# Altium PCB Goldstrike1_Rev01 2014 06 02.PcbDoc (part 2 of 5)
Units mm, origin at the board's own origin, x right, y up, seen from the top; angles counter-clockwise.
Board outline 110 x 255.5 mm, 4 copper layers (L1, L2, L3, L4), stack 1.577 mm thick; 676 components, 193 nets, 4482 pads, 1968 vias.
Unrouted connection lines stored in the file: 1747.
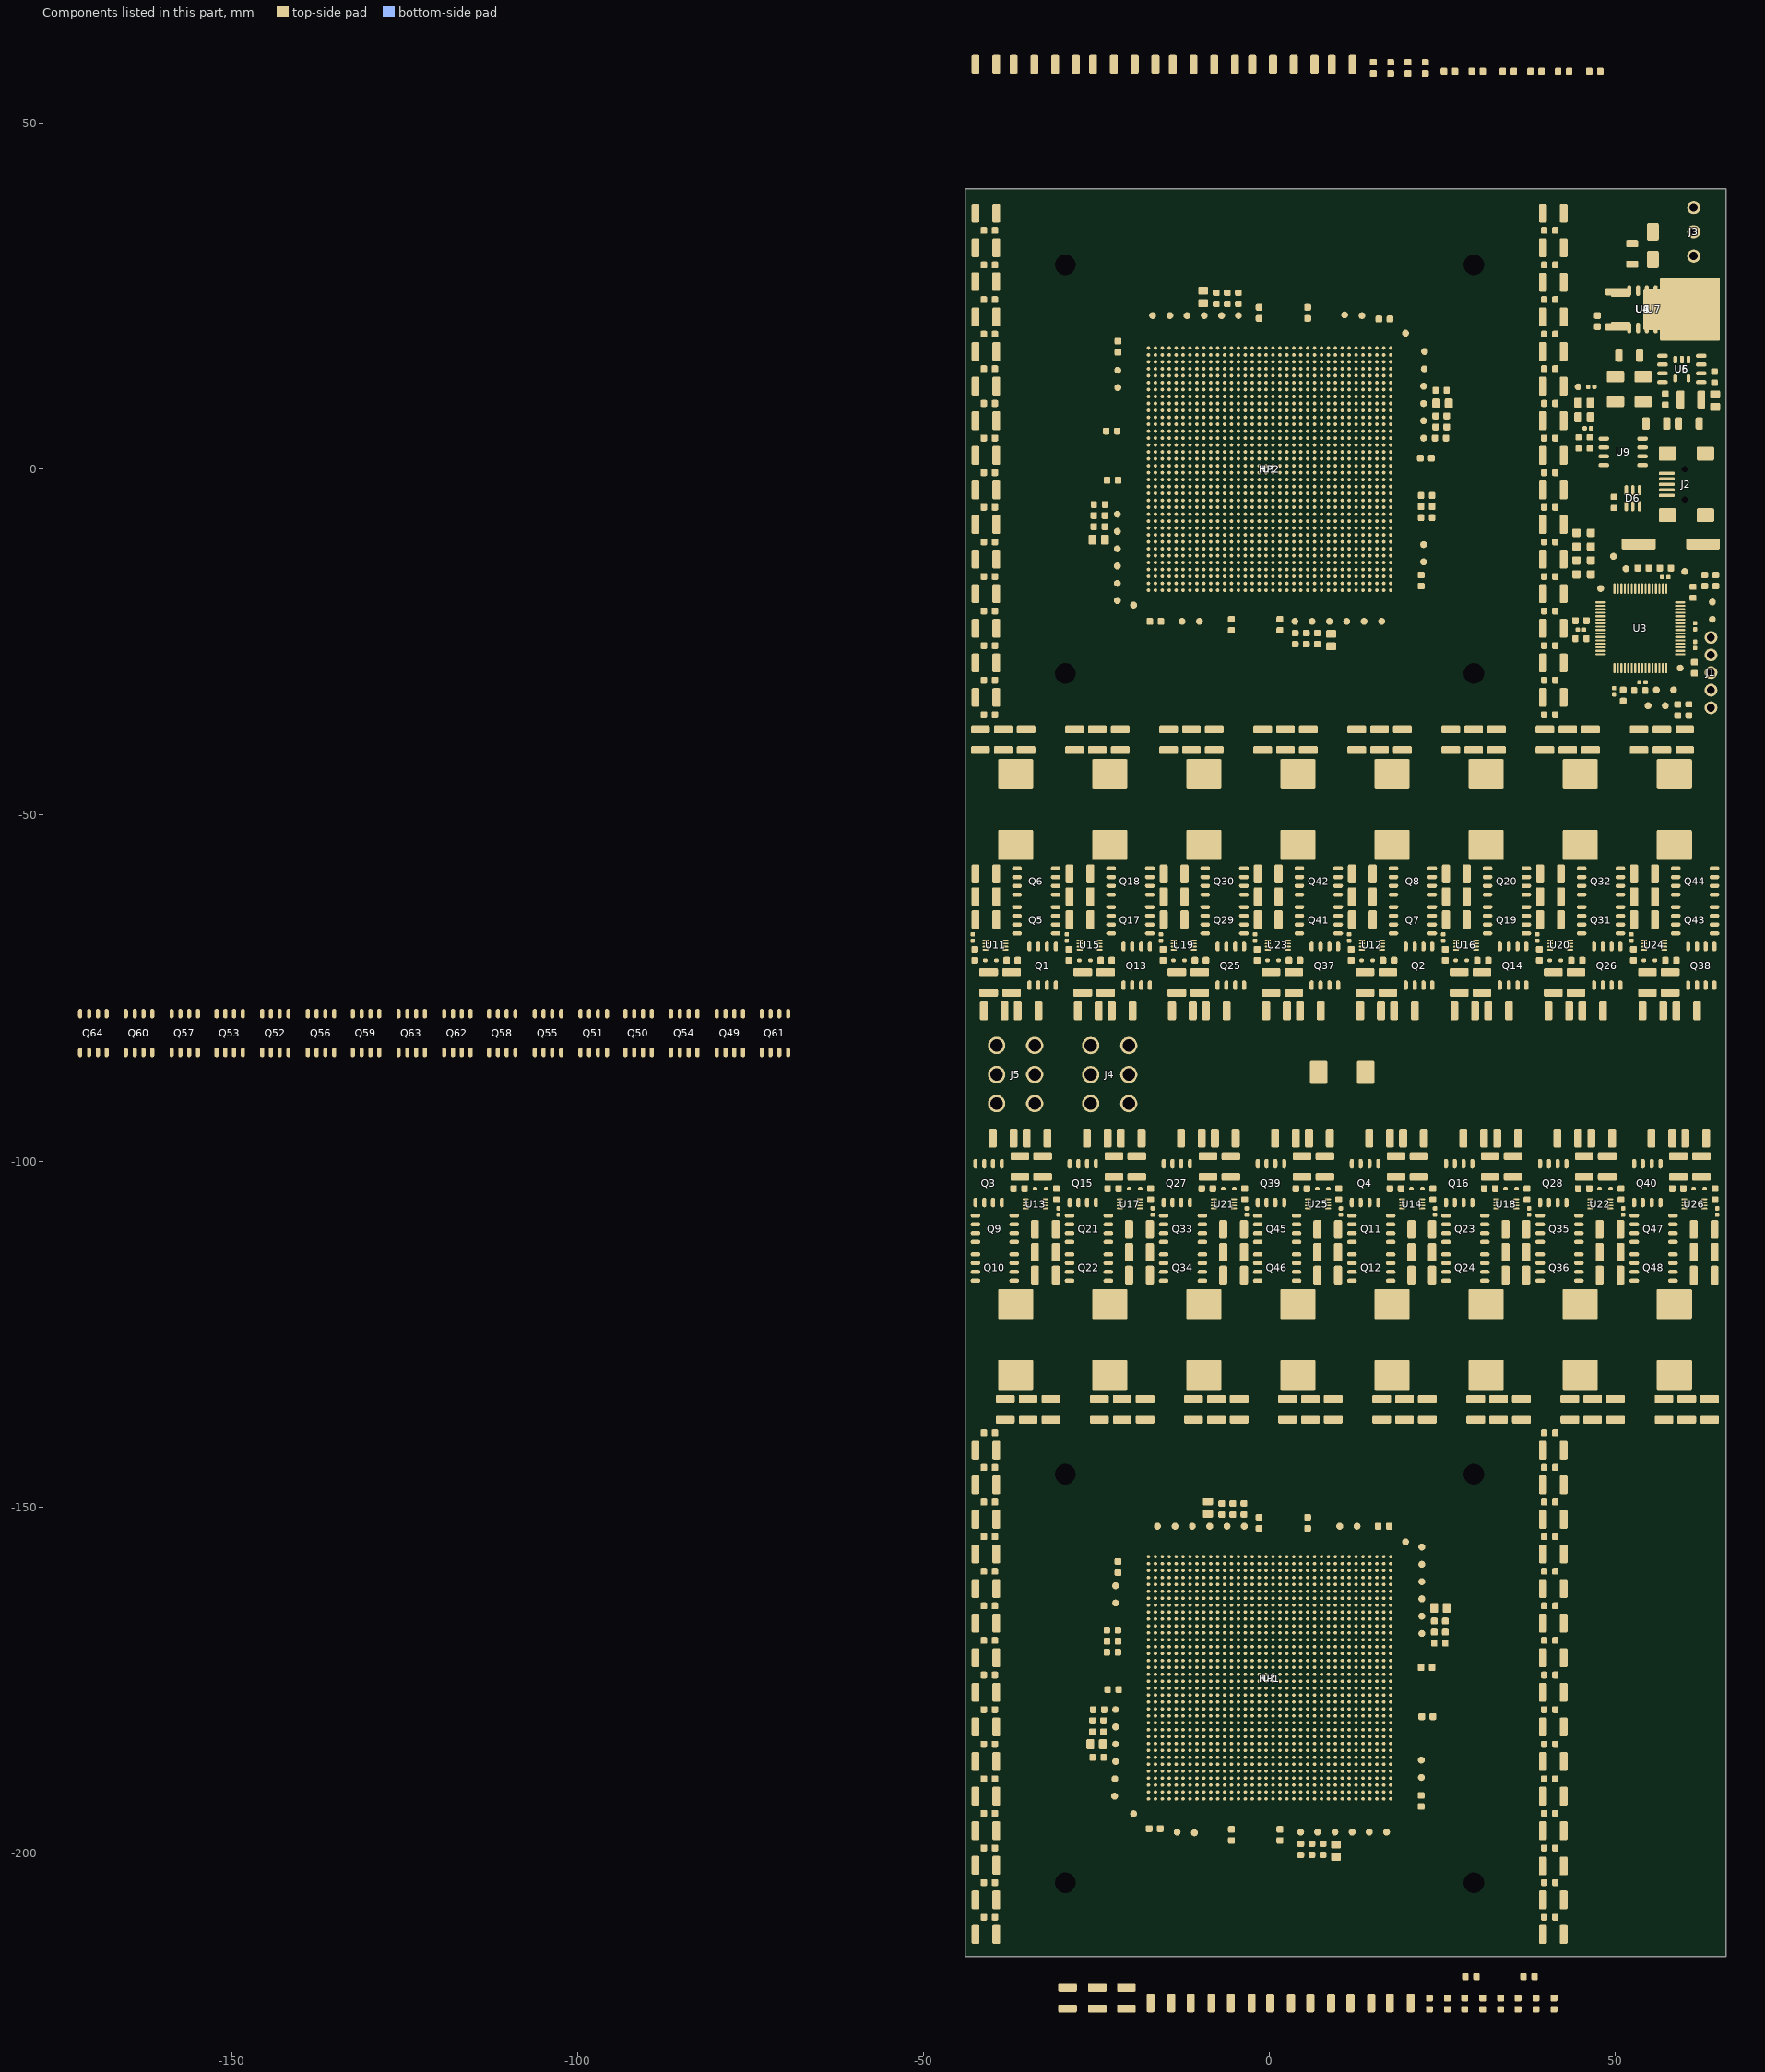
[diagram p4: the components of this part, seen from the top]

## Components (designator, comment, footprint, x,y, rotation, side; value= is the part's Value field where it differs from the comment) (continued)
C424 "SMD_1210_CAPC3225X270N" SMD_1210_CAPC3225X270N -12.6,-78.3 r180 top
C425 "SMD_1210_CAPC3225X270N" SMD_1210_CAPC3225X270N -10.1,-74.2 r90 top
C426 "SMD_1210_CAPC3225X270N" SMD_1210_CAPC3225X270N 1,-78.3 r180 top
C427 "SMD_1210_CAPC3225X270N" SMD_1210_CAPC3225X270N 3.5,-74.2 r90 top
D1 "SMD_0805_LED2012X100N" SMD_0805_LED2012X100N 45.4,-15.2 r0 top
D2 "SMD_0805_LED2012X100N" SMD_0805_LED2012X100N 45.4,-13.2 r0 top
D3 "SMD_0805_LED2012X100N" SMD_0805_LED2012X100N 45.4,-9.2 r0 top
D4 "SMD_0805_LED2012X100N" SMD_0805_LED2012X100N 45.4,-11.2 r0 top
D5 "SMD_DO214AC_SMA" SMD_DO214AC_SMA 52,9.8 r180 top
D6 "SMD_SOT457_SOT95P275X110-6N" SMD_SOT457_SOT95P275X110-6N 52.5,-4.2 r270 top
D7 "SMD_DO214AC_SMA" SMD_DO214AC_SMA 52,13.4 r0 top
D8 "SMD_DO214AC_SMA" SMD_DO214AC_SMA 55.4,32.3 r90 top
D9 "SMD_DO214AC_SMC" SMD_DO214AC_SMC 10.5,-87.2 r180 top
D10 "SMD_SOD523_SOD1608X65N" SMD_SOD523_SOD1608X65N -40.3,-71 r180 top
D11 "SMD_SOD523_SOD1608X65N" SMD_SOD523_SOD1608X65N 14.1,-71 r180 top
D12 "SMD_SOD523_SOD1608X65N" SMD_SOD523_SOD1608X65N -33.1,-104 r0 top
D13 "SMD_SOD523_SOD1608X65N" SMD_SOD523_SOD1608X65N 21.3,-104 r0 top
D14 "SMD_SOD523_SOD1608X65N" SMD_SOD523_SOD1608X65N -26.7,-71 r180 top
D15 "SMD_SOD523_SOD1608X65N" SMD_SOD523_SOD1608X65N 27.7,-71 r180 top
D16 "SMD_SOD523_SOD1608X65N" SMD_SOD523_SOD1608X65N -19.5,-104 r0 top
D17 "SMD_SOD523_SOD1608X65N" SMD_SOD523_SOD1608X65N 34.9,-104 r0 top
D18 "SMD_SOD523_SOD1608X65N" SMD_SOD523_SOD1608X65N -13.1,-71 r180 top
D19 "SMD_SOD523_SOD1608X65N" SMD_SOD523_SOD1608X65N 41.3,-71 r180 top
D20 "SMD_SOD523_SOD1608X65N" SMD_SOD523_SOD1608X65N -5.9,-104 r0 top
D21 "SMD_SOD523_SOD1608X65N" SMD_SOD523_SOD1608X65N 48.5,-104 r0 top
D22 "SMD_SOD523_SOD1608X65N" SMD_SOD523_SOD1608X65N 0.5,-71 r180 top
D23 "SMD_SOD523_SOD1608X65N" SMD_SOD523_SOD1608X65N 54.9,-71 r180 top
D24 "SMD_SOD523_SOD1608X65N" SMD_SOD523_SOD1608X65N 7.7,-104 r0 top
D25 "SMD_SOD523_SOD1608X65N" SMD_SOD523_SOD1608X65N 62.1,-104 r0 top
FB1 "SMD_0805_INDC2012X105N" SMD_0805_INDC2012X105N -24.7,-10.2 r0 top
FB2 "SMD_0805_INDC2012X105N" SMD_0805_INDC2012X105N 25,9.5 r180 top
FB3 "SMD_0805_INDC2012X105N" SMD_0805_INDC2012X105N 8.9,-24.7 r90 top
FB4 "SMD_0805_INDC2012X105N" SMD_0805_INDC2012X105N -9.6,24.9 r270 top
FB5 "SMD_0805_INDC2012X105N" SMD_0805_INDC2012X105N 45.5,9.6 r180 top
FB6 "SMD_0805_INDC2012X105N" SMD_0805_INDC2012X105N 24.7,-164.6 r180 top
FB7 "SMD_0805_INDC2012X105N" SMD_0805_INDC2012X105N -25,-184.3 r0 top
FB8 "SMD_0805_INDC2012X105N" SMD_0805_INDC2012X105N -8.9,-150.1 r270 top
FB9 "SMD_0805_INDC2012X105N" SMD_0805_INDC2012X105N 9.6,-199.7 r90 top
HP1 "AH2-120" AH2-120 0,-174.8 r180 top
HP2 "AH2-120" AH2-120 0,0 r0 top
J1 "PTH_HDRV05W64P254_1X05" PTH_HDRV05W64P254_1X05 63.8,-29.4 r270 top
J2 "SMD_CON-CVILUX-CU04-SCM15B0" SMD_CON-CVILUX-CU04-SCM15B0 60,-2.2 r90 top
J3 "PTH_CON_HD-351-3P" PTH_CON_HD-351-3P 61.3,34.3 r90 top
J4 "PTH_CON_WR-MRC4-6P_S" PTH_CON_WR-MRC4-6P_S -23.1,-87.519 r90 top
J5 "PTH_CON_WR-MRC4-6P_S" PTH_CON_WR-MRC4-6P_S -36.7,-87.5 r90 top
L1 "SMT_INDM135130X800N" SMT_INDM135130X800N -36.7,-49.2 r90 top
L2 "SMT_INDM135130X800N" SMT_INDM135130X800N 17.7,-49.2 r90 top
L3 "SMT_INDM135130X800N" SMT_INDM135130X800N -36.7,-125.8 r270 top
L4 "SMT_INDM135130X800N" SMT_INDM135130X800N 17.7,-125.8 r270 top
L5 "SMT_INDM135130X800N" SMT_INDM135130X800N -23.1,-49.2 r90 top
L6 "SMT_INDM135130X800N" SMT_INDM135130X800N 31.3,-49.2 r90 top
L7 "SMT_INDM135130X800N" SMT_INDM135130X800N -23.1,-125.8 r270 top
L8 "SMT_INDM135130X800N" SMT_INDM135130X800N 31.3,-125.8 r270 top
L9 "SMT_INDM135130X800N" SMT_INDM135130X800N -9.5,-49.2 r90 top
L10 "SMT_INDM135130X800N" SMT_INDM135130X800N 44.9,-49.2 r90 top
L11 "SMT_INDM135130X800N" SMT_INDM135130X800N -9.5,-125.8 r270 top
L12 "SMT_INDM135130X800N" SMT_INDM135130X800N 44.9,-125.8 r270 top
L13 "SMT_INDM135130X800N" SMT_INDM135130X800N 4.1,-49.2 r90 top
L14 "SMT_INDM135130X800N" SMT_INDM135130X800N 58.5,-49.2 r90 top
L15 "SMT_INDM135130X800N" SMT_INDM135130X800N 4.1,-125.8 r270 top
L16 "SMT_INDM135130X800N" SMT_INDM135130X800N 58.5,-125.8 r270 top
Q1 "SMD_SOIC127P600X110-9AN" SMD_SOIC127P600X110-9AN -32.8,-71.8 r270 top
Q2 "SMD_SOIC127P600X110-9AN" SMD_SOIC127P600X110-9AN 21.6,-71.8 r270 top
Q3 "SMD_SOIC127P600X110-9AN" SMD_SOIC127P600X110-9AN -40.6,-103.2 r90 top
Q4 "SMD_SOIC127P600X110-9AN" SMD_SOIC127P600X110-9AN 13.8,-103.2 r90 top
Q5 "SMD_SOIC127P600X110-9AN" SMD_SOIC127P600X110-9AN -33.7,-65.2 r0 top
Q6 "SMD_SOIC127P600X110-9AN" SMD_SOIC127P600X110-9AN -33.7,-59.6 r0 top
Q7 "SMD_SOIC127P600X110-9AN" SMD_SOIC127P600X110-9AN 20.7,-65.2 r0 top
Q8 "SMD_SOIC127P600X110-9AN" SMD_SOIC127P600X110-9AN 20.7,-59.6 r0 top
Q9 "SMD_SOIC127P600X110-9AN" SMD_SOIC127P600X110-9AN -39.7,-109.8 r180 top
Q10 "SMD_SOIC127P600X110-9AN" SMD_SOIC127P600X110-9AN -39.7,-115.4 r180 top
Q11 "SMD_SOIC127P600X110-9AN" SMD_SOIC127P600X110-9AN 14.7,-109.8 r180 top
Q12 "SMD_SOIC127P600X110-9AN" SMD_SOIC127P600X110-9AN 14.7,-115.4 r180 top
Q13 "SMD_SOIC127P600X110-9AN" SMD_SOIC127P600X110-9AN -19.2,-71.8 r270 top
Q14 "SMD_SOIC127P600X110-9AN" SMD_SOIC127P600X110-9AN 35.2,-71.8 r270 top
Q15 "SMD_SOIC127P600X110-9AN" SMD_SOIC127P600X110-9AN -27,-103.2 r90 top
Q16 "SMD_SOIC127P600X110-9AN" SMD_SOIC127P600X110-9AN 27.4,-103.2 r90 top
Q17 "SMD_SOIC127P600X110-9AN" SMD_SOIC127P600X110-9AN -20.1,-65.2 r0 top
Q18 "SMD_SOIC127P600X110-9AN" SMD_SOIC127P600X110-9AN -20.1,-59.6 r0 top
Q19 "SMD_SOIC127P600X110-9AN" SMD_SOIC127P600X110-9AN 34.3,-65.2 r0 top
Q20 "SMD_SOIC127P600X110-9AN" SMD_SOIC127P600X110-9AN 34.3,-59.6 r0 top
Q21 "SMD_SOIC127P600X110-9AN" SMD_SOIC127P600X110-9AN -26.1,-109.8 r180 top
Q22 "SMD_SOIC127P600X110-9AN" SMD_SOIC127P600X110-9AN -26.1,-115.4 r180 top
Q23 "SMD_SOIC127P600X110-9AN" SMD_SOIC127P600X110-9AN 28.3,-109.8 r180 top
Q24 "SMD_SOIC127P600X110-9AN" SMD_SOIC127P600X110-9AN 28.3,-115.4 r180 top
Q25 "SMD_SOIC127P600X110-9AN" SMD_SOIC127P600X110-9AN -5.6,-71.8 r270 top
Q26 "SMD_SOIC127P600X110-9AN" SMD_SOIC127P600X110-9AN 48.8,-71.8 r270 top
Q27 "SMD_SOIC127P600X110-9AN" SMD_SOIC127P600X110-9AN -13.4,-103.2 r90 top
Q28 "SMD_SOIC127P600X110-9AN" SMD_SOIC127P600X110-9AN 41,-103.2 r90 top
Q29 "SMD_SOIC127P600X110-9AN" SMD_SOIC127P600X110-9AN -6.5,-65.2 r0 top
Q30 "SMD_SOIC127P600X110-9AN" SMD_SOIC127P600X110-9AN -6.5,-59.6 r0 top
Q31 "SMD_SOIC127P600X110-9AN" SMD_SOIC127P600X110-9AN 47.9,-65.2 r0 top
Q32 "SMD_SOIC127P600X110-9AN" SMD_SOIC127P600X110-9AN 47.9,-59.6 r0 top
Q33 "SMD_SOIC127P600X110-9AN" SMD_SOIC127P600X110-9AN -12.5,-109.8 r180 top
Q34 "SMD_SOIC127P600X110-9AN" SMD_SOIC127P600X110-9AN -12.5,-115.4 r180 top
Q35 "SMD_SOIC127P600X110-9AN" SMD_SOIC127P600X110-9AN 41.9,-109.8 r180 top
Q36 "SMD_SOIC127P600X110-9AN" SMD_SOIC127P600X110-9AN 41.9,-115.4 r180 top
Q37 "SMD_SOIC127P600X110-9AN" SMD_SOIC127P600X110-9AN 8,-71.8 r270 top
Q38 "SMD_SOIC127P600X110-9AN" SMD_SOIC127P600X110-9AN 62.4,-71.8 r270 top
Q39 "SMD_SOIC127P600X110-9AN" SMD_SOIC127P600X110-9AN 0.2,-103.2 r90 top
Q40 "SMD_SOIC127P600X110-9AN" SMD_SOIC127P600X110-9AN 54.6,-103.2 r90 top
Q41 "SMD_SOIC127P600X110-9AN" SMD_SOIC127P600X110-9AN 7.1,-65.2 r0 top
Q42 "SMD_SOIC127P600X110-9AN" SMD_SOIC127P600X110-9AN 7.1,-59.6 r0 top
Q43 "SMD_SOIC127P600X110-9AN" SMD_SOIC127P600X110-9AN 61.5,-65.2 r0 top
Q44 "SMD_SOIC127P600X110-9AN" SMD_SOIC127P600X110-9AN 61.5,-59.6 r0 top
Q45 "SMD_SOIC127P600X110-9AN" SMD_SOIC127P600X110-9AN 1.1,-109.8 r180 top
Q46 "SMD_SOIC127P600X110-9AN" SMD_SOIC127P600X110-9AN 1.1,-115.4 r180 top
Q47 "SMD_SOIC127P600X110-9AN" SMD_SOIC127P600X110-9AN 55.5,-109.8 r180 top
Q48 "SMD_SOIC127P600X110-9AN" SMD_SOIC127P600X110-9AN 55.5,-115.4 r180 top
Q49 "SMD_SOIC127P600X110-9AN" SMD_SOIC127P600X110-9AN -78,-81.5 r270 top
Q50 "SMD_SOIC127P600X110-9AN" SMD_SOIC127P600X110-9AN -91.2,-81.5 r90 top
Q51 "SMD_SOIC127P600X110-9AN" SMD_SOIC127P600X110-9AN -97.7,-81.5 r90 top
Q52 "SMD_SOIC127P600X110-9AN" SMD_SOIC127P600X110-9AN -143.7,-81.5 r90 top
Q53 "SMD_SOIC127P600X110-9AN" SMD_SOIC127P600X110-9AN -150.3,-81.5 r90 top
Q54 "SMD_SOIC127P600X110-9AN" SMD_SOIC127P600X110-9AN -84.6,-81.5 r90 top
Q55 "SMD_SOIC127P600X110-9AN" SMD_SOIC127P600X110-9AN -104.3,-81.5 r90 top
Q56 "SMD_SOIC127P600X110-9AN" SMD_SOIC127P600X110-9AN -137.1,-81.5 r90 top
Q57 "SMD_SOIC127P600X110-9AN" SMD_SOIC127P600X110-9AN -156.8,-81.5 r90 top
Q58 "SMD_SOIC127P600X110-9AN" SMD_SOIC127P600X110-9AN -110.9,-81.5 r270 top
Q59 "SMD_SOIC127P600X110-9AN" SMD_SOIC127P600X110-9AN -130.6,-81.5 r270 top
Q60 "SMD_SOIC127P600X110-9AN" SMD_SOIC127P600X110-9AN -163.4,-81.5 r270 top
Q61 "SMD_SOIC127P600X110-9AN" SMD_SOIC127P600X110-9AN -71.5,-81.5 r270 top
Q62 "SMD_SOIC127P600X110-9AN" SMD_SOIC127P600X110-9AN -117.4,-81.5 r270 top
Q63 "SMD_SOIC127P600X110-9AN" SMD_SOIC127P600X110-9AN -124,-81.5 r270 top
Q64 "SMD_SOIC127P600X110-9AN" SMD_SOIC127P600X110-9AN -170,-81.5 r270 top
R1 "SMD_0603_RESC1608X55N" SMD_0603_RESC1608X55N -24.8,-186.2 r180 top
R2 "SMD_0603_RESC1608X55N" SMD_0603_RESC1608X55N -22.7,-167.8 r180 top
R3 "SMD_0603_RESC1608X55N" SMD_0603_RESC1608X55N 24.8,11.4 r0 top
R4 "SMD_0603_RESC1608X55N" SMD_0603_RESC1608X55N 64.5,-16.1 r270 top
R5 "SMD_0603_RESC1608X55N" SMD_0603_RESC1608X55N 62.9,-16.1 r270 top
R6 "SMD_0603_RESC1608X55N" SMD_0603_RESC1608X55N 60.6,-34.8 r270 top
R9 "SMD_0603_RESC1608X55N" SMD_0603_RESC1608X55N 51.1,-32.7 r270 top
R10 "SMD_0603_RESC1608X55N" SMD_0603_RESC1608X55N 61.2,-17.8 r270 top
R11 "SMD_0603_RESC1608X55N" SMD_0603_RESC1608X55N 49.8,-4.8 r270 top
R12 "SMD_1206_RESC3216X65N" SMD_1206_RESC3216X65N 52,16.4 r0 top
R13 "SMD_1206_RESC3216X65N" SMD_1206_RESC3216X65N 52.4,31.1 r90 top
R14 "SMD_1206_RESC3216X65N" SMD_1206_RESC3216X65N 60.6,6.6 r0 top
R15 "SMD_1206_RESC3216X65N" SMD_1206_RESC3216X65N 55.9,6.6 r180 top
R16 "SMD_0603_RESC1608X55N" SMD_0603_RESC1608X55N 46.3,3.8 r270 top
R17 "SMD_0603_RESC1608X55N" SMD_0603_RESC1608X55N 44.7,3.8 r90 top
R20 "SMD_0603_RESC1608X55N" SMD_0603_RESC1608X55N 22.7,-7 r0 top
R21 "SMD_0603_RESC1608X55N" SMD_0603_RESC1608X55N 53.5,-32 r180 top
R22 "SMD_0603_RESC1608X55N" SMD_0603_RESC1608X55N 22.7,-3.8 r180 top
R23 "SMD_0603_RESC1608X55N" SMD_0603_RESC1608X55N -22.7,-171 r0 top
R26 "SMD_0603_RESC1608X55N" SMD_0603_RESC1608X55N 45,-24.5 r180 top
R27 "SMD_0603_RESC1608X55N" SMD_0603_RESC1608X55N -24.6,-5.1 r0 top
R28 "SMD_0603_RESC1608X55N" SMD_0603_RESC1608X55N 3.7,-24.5 r90 top
R29 "SMD_0603_RESC1608X55N" SMD_0603_RESC1608X55N 24.7,4.5 r180 top
R30 "SMD_0603_RESC1608X55N" SMD_0603_RESC1608X55N -4.5,24.7 r270 top
R31 "SMD_0603_RESC1608X55N" SMD_0603_RESC1608X55N 24.6,-169.7 r180 top
R32 "SMD_0603_RESC1608X55N" SMD_0603_RESC1608X55N -3.7,-150.3 r270 top
R33 "SMD_0603_RESC1608X55N" SMD_0603_RESC1608X55N -24.7,-179.3 r0 top
R34 "SMD_0603_RESC1608X55N" SMD_0603_RESC1608X55N 4.5,-199.5 r90 top
TP2 "SMD_TP_100-254" SMD_TP_100-254 44.6,11.9 r0 top
TP3 "SMD_TP_100-254" SMD_TP_100-254 54.7,-34.2 r0 top
TP5 "SMD_TP_100-254" SMD_TP_100-254 55.9,-31.9 r0 top
TP6 "SMD_TP_100-254" SMD_TP_100-254 57.2,-34.2 r0 top
TP7 "SMD_TP_100-254" SMD_TP_100-254 58.4,-31.9 r0 top
TP10 "SMD_TP_100-254" SMD_TP_100-254 64,-21.7 r0 top
TP11 "SMD_TP_100-254" SMD_TP_100-254 64,-19.2 r0 top
TP12 "SMD_TP_100-254" SMD_TP_100-254 49.7,-12.6 r0 top
TP13 "SMD_TP_100-254" SMD_TP_100-254 51.5,-14.4 r0 top
TP21 "SMD_TP_100-254" SMD_TP_100-254 60,-14.8 r0 top
TP22 "SMD_TP_100-254" SMD_TP_100-254 -12.641,-22.004 r0 top
TP23 "SMD_TP_100-254" SMD_TP_100-254 22.259,-13.404 r0 top
TP24 "SMD_TP_100-254" SMD_TP_100-254 13.359,22.196 r0 top
TP25 "SMD_TP_100-254" SMD_TP_100-254 -21.941,14.296 r0 top
TP26 "SMD_TP_100-254" SMD_TP_100-254 -10.141,-22.004 r0 top
TP27 "SMD_TP_100-254" SMD_TP_100-254 22.259,-10.904 r0 top
TP28 "SMD_TP_100-254" SMD_TP_100-254 10.859,22.296 r0 top
TP29 "SMD_TP_100-254" SMD_TP_100-254 -21.941,11.796 r0 top
TP30 "SMD_TP_100-254" SMD_TP_100-254 12.641,-152.796 r180 top
TP31 "SMD_TP_100-254" SMD_TP_100-254 -22.259,-161.396 r180 top
TP32 "SMD_TP_100-254" SMD_TP_100-254 -13.359,-196.996 r180 top
TP33 "SMD_TP_100-254" SMD_TP_100-254 21.941,-189.096 r180 top
TP34 "SMD_TP_100-254" SMD_TP_100-254 10.141,-152.796 r180 top
TP35 "SMD_TP_100-254" SMD_TP_100-254 -22.259,-163.896 r180 top
TP36 "SMD_TP_100-254" SMD_TP_100-254 -10.859,-197.096 r180 top
TP37 "SMD_TP_100-254" SMD_TP_100-254 21.941,-186.596 r180 top
TP38 "SMD_TP_100-254" SMD_TP_100-254 -22,-16.5 r0 top
TP39 "SMD_TP_100-254" SMD_TP_100-254 13.659,-22.004 r0 top
TP40 "SMD_TP_100-254" SMD_TP_100-254 22.359,14.496 r0 top
TP41 "SMD_TP_100-254" SMD_TP_100-254 -14.4,22.2 r0 top
TP42 "SMD_TP_100-254" SMD_TP_100-254 -22,-11.5 r0 top
TP43 "SMD_TP_100-254" SMD_TP_100-254 8.659,-22.004 r0 top
TP44 "SMD_TP_100-254" SMD_TP_100-254 22.259,9.496 r0 top
TP45 "SMD_TP_100-254" SMD_TP_100-254 -9.441,22.196 r0 top
TP46 "SMD_TP_100-254" SMD_TP_100-254 -22,-14 r0 top
TP47 "SMD_TP_100-254" SMD_TP_100-254 11.159,-22.004 r0 top
TP48 "SMD_TP_100-254" SMD_TP_100-254 22.259,11.996 r0 top
TP49 "SMD_TP_100-254" SMD_TP_100-254 -11.941,22.196 r0 top
TP50 "SMD_TP_100-254" SMD_TP_100-254 -22,-9 r0 top
TP51 "SMD_TP_100-254" SMD_TP_100-254 6.159,-22.004 r0 top
TP52 "SMD_TP_100-254" SMD_TP_100-254 22.259,6.996 r0 top
TP53 "SMD_TP_100-254" SMD_TP_100-254 -6.941,22.196 r0 top
TP54 "SMD_TP_100-254" SMD_TP_100-254 22,-158.3 r180 top
TP55 "SMD_TP_100-254" SMD_TP_100-254 -13.659,-152.796 r180 top
TP56 "SMD_TP_100-254" SMD_TP_100-254 -22.359,-189.296 r180 top
TP57 "SMD_TP_100-254" SMD_TP_100-254 14.4,-197 r180 top
TP58 "SMD_TP_100-254" SMD_TP_100-254 22,-163.3 r180 top
TP59 "SMD_TP_100-254" SMD_TP_100-254 -8.659,-152.796 r180 top
TP60 "SMD_TP_100-254" SMD_TP_100-254 -22.259,-184.296 r180 top
TP61 "SMD_TP_100-254" SMD_TP_100-254 9.441,-196.996 r180 top
TP62 "SMD_TP_100-254" SMD_TP_100-254 22,-160.8 r180 top
TP63 "SMD_TP_100-254" SMD_TP_100-254 -11.159,-152.796 r180 top
TP64 "SMD_TP_100-254" SMD_TP_100-254 -22.259,-186.796 r180 top
TP65 "SMD_TP_100-254" SMD_TP_100-254 11.941,-196.996 r180 top
TP66 "SMD_TP_100-254" SMD_TP_100-254 22,-165.8 r180 top
TP67 "SMD_TP_100-254" SMD_TP_100-254 -6.159,-152.796 r180 top
TP68 "SMD_TP_100-254" SMD_TP_100-254 -22.259,-181.796 r180 top
TP69 "SMD_TP_100-254" SMD_TP_100-254 6.941,-196.996 r180 top
TP70 "SMD_TP_100-254" SMD_TP_100-254 -22,-19 r0 top
TP71 "SMD_TP_100-254" SMD_TP_100-254 -16.9,22.2 r0 top
TP72 "SMD_TP_100-254" SMD_TP_100-254 16.2,-22 r0 top
TP73 "SMD_TP_100-254" SMD_TP_100-254 22.4,17 r0 top
TP74 "SMD_TP_100-254" SMD_TP_100-254 22,-155.8 r180 top
TP75 "SMD_TP_100-254" SMD_TP_100-254 16.9,-197 r180 top
TP76 "SMD_TP_100-254" SMD_TP_100-254 -16.2,-152.8 r180 top
TP77 "SMD_TP_100-254" SMD_TP_100-254 -22.4,-191.8 r180 top
TP78 "SMD_TP_100-254" SMD_TP_100-254 -22,-6.5 r0 top
TP79 "SMD_TP_100-254" SMD_TP_100-254 3.659,-22.004 r0 top
TP80 "SMD_TP_100-254" SMD_TP_100-254 22.259,4.496 r0 top
TP81 "SMD_TP_100-254" SMD_TP_100-254 -4.5,22.2 r0 top
TP82 "SMD_TP_100-254" SMD_TP_100-254 22,-168.3 r180 top
TP83 "SMD_TP_100-254" SMD_TP_100-254 -3.659,-152.796 r180 top
TP84 "SMD_TP_100-254" SMD_TP_100-254 -22.259,-179.296 r180 top
TP85 "SMD_TP_100-254" SMD_TP_100-254 4.5,-197 r180 top
U1 "SMD_BGA1296C100P36X36" SMD_BGA1296C100P36X36 0,0 r0 top
U2 "SMD_BGA1296C100P36X36" SMD_BGA1296C100P36X36 0,-174.7 r180 top
U3 "SMD_QFP50P1200X1200X120-64N" SMD_QFP50P1200X1200X120-64N 53.6,-23 r90 top
U4 "SMD_SOIC127P600X175-8N" SMD_SOIC127P600X175-8N 53.9,23.1 r90 top
U5 "SMD_SOT95P280X135-5N" SMD_SOT95P280X135-5N 59.595,14.487 r270 top
U6 "SMD_SOIC127P620X160-8N" SMD_SOIC127P620X160-8N 59.595,14.487 r180 top
U7 "SMD_TO254P1542X460-3_4N" SMD_TO254P1542X460-3_4N 56.8,23.1 r0 top
U8 "SMD_TO229P991X239-4N_DPAK" SMD_TO229P991X239-4N_DPAK 54.9,23.1 r0 top
U9 "SMD_SOIC127P620X160-8N" SMD_SOIC127P620X160-8N 51.1,2.5 r0 top
U11 "SMD_SON45P300X200X80-9N" SMD_SON45P300X200X80-9N -39.6,-68.8 r180 top
U12 "SMD_SON45P300X200X80-9N" SMD_SON45P300X200X80-9N 14.8,-68.8 r180 top
U13 "SMD_SON45P300X200X80-9N" SMD_SON45P300X200X80-9N -33.8,-106.2 r0 top
U14 "SMD_SON45P300X200X80-9N" SMD_SON45P300X200X80-9N 20.6,-106.2 r0 top
U15 "SMD_SON45P300X200X80-9N" SMD_SON45P300X200X80-9N -26,-68.8 r180 top
U16 "SMD_SON45P300X200X80-9N" SMD_SON45P300X200X80-9N 28.4,-68.8 r180 top
U17 "SMD_SON45P300X200X80-9N" SMD_SON45P300X200X80-9N -20.2,-106.2 r0 top
U18 "SMD_SON45P300X200X80-9N" SMD_SON45P300X200X80-9N 34.2,-106.2 r0 top
U19 "SMD_SON45P300X200X80-9N" SMD_SON45P300X200X80-9N -12.4,-68.8 r180 top
U20 "SMD_SON45P300X200X80-9N" SMD_SON45P300X200X80-9N 42,-68.8 r180 top
U21 "SMD_SON45P300X200X80-9N" SMD_SON45P300X200X80-9N -6.6,-106.2 r0 top
U22 "SMD_SON45P300X200X80-9N" SMD_SON45P300X200X80-9N 47.8,-106.2 r0 top
U23 "SMD_SON45P300X200X80-9N" SMD_SON45P300X200X80-9N 1.2,-68.8 r180 top
U24 "SMD_SON45P300X200X80-9N" SMD_SON45P300X200X80-9N 55.6,-68.8 r180 top
U25 "SMD_SON45P300X200X80-9N" SMD_SON45P300X200X80-9N 7,-106.2 r0 top
U26 "SMD_SON45P300X200X80-9N" SMD_SON45P300X200X80-9N 61.4,-106.2 r0 top
Y1 "SMD_HC49_XTAL1140X480X420N" SMD_HC49_XTAL1140X480X420N 58,-10.8 r180 top
